# KiCad board INS-1 Matrix Display.kicad_pcb (continued)
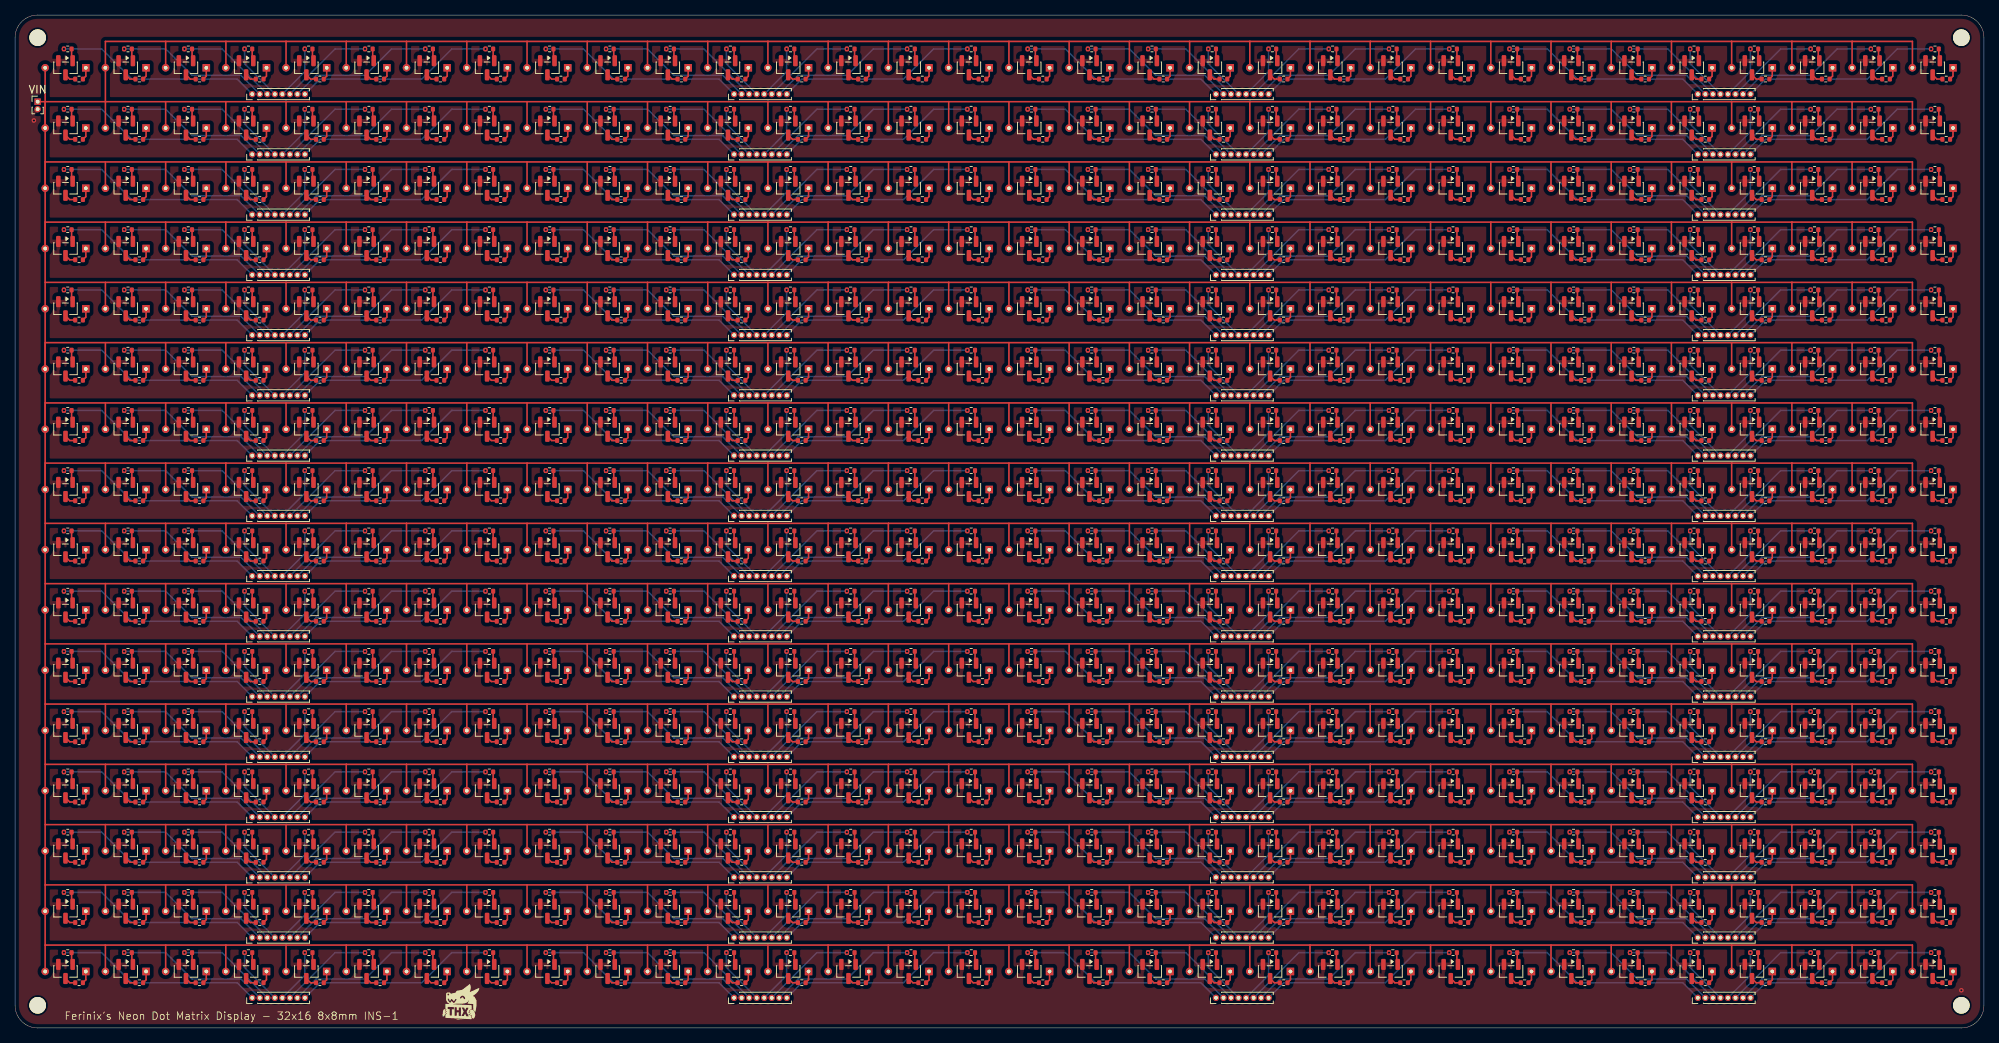
[diagram p0: board, top side]
## Routing (per net, layer and track width the routed paths; a pad name or vN(x,y) marks a point on that pad's centre or on a via; arc(x,y) is an arc through that point) (continued)
REF**#227.1 ; 220,107 228,107 ; 220,107 212,107 ; 50K#73.1 9.4,6.39 REF**#76.2 ; MMBTA42#221.3 207.26,62 50K#40.2 ; 1K#79.2 7.51,120.58 MMBTA42#277.1 ; 1K#299.2 103.5,72.58 MMBTA42#375.1 ; MMBTA42#132.1 183.5,120.58 1K#234.2 ; MMBTA42#361.1 55.5,40.58 1K#471.2 ; 50K#151.1 113.39,78.39 REF**#214.2 ; 50K#414.1 49.39,86.39 REF**#238.2 ; 124,59 124,55.51 REF**#474.1 ; 50K#416.2 223.25,6 MMBTA42#364.3 ; MMBTA42#391.3 199.26,102 50K#190.2 ; 50K#171.1 193.39,70.39 REF**#257.2 ; 50K#218.1 177.39,62.39 REF**#444.2 ; 108,19 100,19 ; REF**#153.2 161.39,94.39 50K#394.1 ; 1K#89.2 191.5,56.58 MMBTA42#80.1 ; REF**#372.1 12,107 ; MMBTA42#434.3 79.26,54 50K#67.2 ; 156,43 155.99,42.99 REF**#407.1 ; 156,43 148,43 ; 52,99 60,99 ; 52,99 51.99,98.99 REF**#306.1 ; 60,99 60,95.51 REF**#234.1 ; 60,99 68,99 ; 236,115 244,115 ; REF**#284.2 233.39,54.39 50K#486.1 ; 1K#425.2 239.5,56.58 MMBTA42#426.1 ; MMBTA42#68.3 151.26,94 50K#141.2 ; MMBTA42#272.1 23.51,8.58 1K#15.2 ; 1K#41.2 151.51,128.58 MMBTA42#333.1 ; MMBTA42#209.1 159.5,56.58 1K#170.2 ; 44,107 52,107 ; 1K#465.2 151.51,112.58 MMBTA42#92.1 ; 50K#79.2 111.25,86 MMBTA42#265.3 ; 220,43 228,43 ; 220,43 212,43 ; 50K#245.2 183.25,14 MMBTA42#429.3 ; 50K#143.1 209.4,54.39 REF**#20.2 ; 4,11 REF**#10.1 4,19 ; 4,11 REF**#76.1 ; 50K#403.2 103.25,6 MMBTA42#67.3 ; REF**#37.2 9.4,126.39 50K#315.1 ; REF**#198.2 25.4,78.39 50K#125.1 ; MMBTA42#243.3 207.26,22 50K#491.2 ; 212,59 REF**#206.1 ; MMBTA42#383.3 151.26,62 50K#210.2 ; MMBTA42#145.1 87.51,72.58 1K#2.2 ; REF**#89.2 161.39,14.39 50K#26.1 ; MMBTA42#249.3 143.26,62 50K#54.2 ; 1K#291.2 95.5,128.58 MMBTA42#195.1 ; REF**#205.1 212,51 ; 50K#101.1 9.4,118.39 REF**#404.2 ; MMBTA42#28.1 183.5,40.58 1K#474.2 ; 28,83 36,83 ; 50K#53.2 167.25,30 MMBTA42#382.3 ; MMBTA42#19.3 183.25,126 50K#215.2 ; REF**#88.2 137.4,110.39 50K#387.1 ; MMBTA42#225.3 127.25,62 50K#122.2 ; REF**#474.2 129.39,54.39 50K#233.1 ; 50K#360.1 241.39,86.39 REF**#215.2 ; 140,107 REF**#352.1 ; MMBTA42#285.1 247.5,72.58 1K#40.2 ; 164,99 172,99 ; 164,99 156,99 ; 50K#145.2 247.25,6 MMBTA42#54.3 ; REF**#492.1 163.99,74.99 164,75 ; REF**#239.2 41.39,86.39 50K#262.1 ; 1K#121.2 167.5,64.58 MMBTA42#175.1 ; REF**#96.2 41.39,78.39 50K#400.1 ; 50K#107.1 89.4,14.39 REF**#341.2 ; 50K#277.2 159.25,110 MMBTA42#418.3 ; MMBTA42#72.1 95.5,72.58 1K#18.2 ; 1K#39.2 191.5,32.58 MMBTA42#23.1 ; REF**#87.2 41.39,126.39 50K#95.1 ; REF**#263.1 60,111.51 60,115 ; MMBTA42#455.1 15.51,88.58 1K#85.2 ; REF**#155.2 129.39,78.39 50K#469.1 ; MMBTA42#338.3 255.25,6 50K#431.2 ; 50K#474.1 241.39,30.39 REF**#98.2 ; 50K#169.2 95.25,78 MMBTA42#91.3 ; 50K#113.2 47.25,78 MMBTA42#206.3 ; REF**#418.2 121.39,46.39 50K#230.1 ; 44,67 52,67 ; 244,43 243.99,42.99 REF**#484.1 ; REF**#126.1 219.99,10.99 220,11 ; 1K#367.2 39.5,104.58 MMBTA42#316.1 ; REF**#399.2 137.4,118.39 50K#167.1 ; MMBTA42#75.3 71.26,38 50K#234.2 ; MMBTA42#409.1 47.5,96.58 1K#336.2 ; MMBTA42#71.3 247.25,118 50K#133.2 ; 1K#345.2 95.5,8.58 MMBTA42#275.1 ; 50K#284.1 105.39,54.39 REF**#426.2 ; 50K#114.2 127.25,30 MMBTA42#82.3 ; REF**#468.2 225.39,38.39 50K#25.1 ; MMBTA42#102.3 183.25,62 50K#302.2 ; 180,83 179.99,82.99 REF**#59.1 ; 180,83 172,83 ; 50K#365.1 9.4,70.39 REF**#424.2 ; 1K#399.2 7.51,88.58 MMBTA42#220.1 ; 60,83 60,79.51 REF**#46.1 ; 1K#464.2 55.5,24.58 MMBTA42#120.1 ; 50K#272.2 15.26,14 MMBTA42#286.3 ; 244,59 243.99,58.99 REF**#125.1 ; 244,59 252,59 252,55.51 REF**#368.1 ; 50K#332.2 111.25,6 MMBTA42#151.3 ; MMBTA42#511.1 215.51,96.58 1K#302.2 ; 36,131 35.99,130.99 REF**#87.1 ; 1K#276.2 239.5,80.58 MMBTA42#324.1 ; REF**#365.2 129.39,46.39 50K#373.1 ; 50K#10.2 199.26,126 MMBTA42#359.3 ; MMBTA42#508.1 247.5,96.58 1K#488.2 ; MMBTA42#268.1 247.5,80.58 1K#459.2 ; 50K#96.2 199.26,38 MMBTA42#224.3 ; 50K#114.1 129.39,30.39 REF**#505.2 ; 1K#498.2 39.5,72.58 MMBTA42#389.1 ; MMBTA42#241.1 231.5,112.58 1K#114.2 ; MMBTA42#156.3 31.25,46 50K#235.2 ; MMBTA42#388.3 47.25,30 50K#162.2 ; 50K#472.1 81.4,38.39 REF**#27.2 ; 36,83 44,83 ; MMBTA42#459.3 175.25,30 50K#430.2 ; MMBTA42#327.3 207.26,94 50K#193.2 ; REF**#395.2 73.4,54.39 50K#267.1 ; 50K#174.1 81.4,126.39 REF**#219.2 ; 44,83 43.99,82.99 REF**#447.1 ; 1K#320.2 159.5,112.58 MMBTA42#418.1 ; REF**#320.2 121.39,54.39 50K#437.1 ; MMBTA42#306.1 247.5,88.58 1K#241.2 ; MMBTA42#479.3 39.25,14 50K#8.2 ; MMBTA42#148.1 31.5,16.58 1K#314.2 ; 68,27 REF**#94.1 ; MMBTA42#421.3 127.25,110 50K#223.2 ; MMBTA42#142.3 183.25,46 50K#205.2 ; 50K#198.1 241.39,62.39 REF**#258.2 ; MMBTA42#351.3 63.25,78 50K#321.2 ; MMBTA42#464.3 143.26,126 50K#153.2 ; MMBTA42#262.1 119.5,112.58 1K#477.2 ; REF**#310.2 137.4,54.39 50K#123.1 ; 50K#300.1 225.39,78.39 REF**#131.2 ; MMBTA42#105.3 151.26,70 50K#500.2 ; MMBTA42#484.3 79.26,118 50K#393.2 ; 50K#31.1 193.39,6.39 REF**#328.2 ; 50K#16.2 55.25,126 MMBTA42#408.3 ; REF**#245.2 209.4,22.39 50K#491.1 ; 1K#168.2 247.5,32.58 MMBTA42#278.1 ; MMBTA42#290.1 71.51,88.58 1K#185.2 ; 50K#160.2 183.25,30 MMBTA42#212.3 ; 50K#209.2 7.26,110 MMBTA42#417.3 ; MMBTA42#257.1 31.5,56.58 1K#501.2 ; 50K#181.2 95.25,86 MMBTA42#449.3 ; 50K#385.2 55.25,46 MMBTA42#114.3 ; MMBTA42#401.3 79.26,78 50K#6.2 ; MMBTA42#299.1 103.5,128.58 1K#343.2 ; 1K#57.2 239.5,104.58 MMBTA42#30.1 ; 50K#203.2 95.25,30 MMBTA42#413.3 ; 50K#9.1 241.39,102.39 REF**#137.2 ; 50K#56.2 151.26,118 MMBTA42#494.3 ; REF**#408.2 25.4,110.39 50K#154.1 ; REF**#176.2 49.39,94.39 50K#24.1 ; 50K#450.2 119.25,102 MMBTA42#380.3 ; MMBTA42#285.3 247.25,70 50K#142.2 ; REF**#301.2 121.39,22.39 50K#20.1 ; MMBTA42#322.1 231.5,24.58 1K#435.2 ; MMBTA42#495.1 31.5,88.58 1K#110.2 ; 1K#227.2 47.5,16.58 MMBTA42#235.1 ; MMBTA42#51.1 111.5,128.58 1K#448.2 ; REF**#163.2 177.39,118.39 50K#23.1 ; 244,19 243.99,18.99 REF**#417.1 ; 50K#481.1 121.39,70.39 REF**#110.2 ; 50K#150.1 241.39,46.39 REF**#3.2 ; REF**#52.2 121.39,62.39 50K#392.1 ; MMBTA42#337.1 15.51,40.58 1K#200.2 ; 50K#96.1 201.4,38.39 REF**#508.2 ; MMBTA42#53.3 103.25,54 50K#284.2 ; 50K#421.1 57.39,54.39 REF**#70.2 ; MMBTA42#437.1 23.51,32.58 1K#162.2 ; MMBTA42#277.3 7.26,118 50K#101.2 ; 50K#409.2 223.25,94 MMBTA42#149.3 ; 50K#21.2 39.25,30 MMBTA42#356.3 ; MMBTA42#341.3 47.25,118 50K#457.2 ; MMBTA42#387.1 15.51,104.58 1K#192.2 ; 1K#196.2 55.5,96.58 MMBTA42#305.1 ; MMBTA42#427.1 71.51,48.58 1K#273.2 ; 1K#229.2 111.5,80.58 MMBTA42#472.1 ; MMBTA42#327.1 207.51,96.58 1K#390.2 ; 50K#406.2 127.25,6 MMBTA42#453.3 ; REF**#242.2 137.4,14.39 50K#158.1 ; REF**#130.2 73.4,6.39 50K#5.1 ; 50K#313.1 89.4,86.39 REF**#420.2 ; 50K#272.1 17.4,14.39 REF**#223.2 ; 1K#495.2 207.51,8.58 MMBTA42#373.1 ; MMBTA42#366.1 71.51,16.58 1K#478.2 ; MMBTA42#411.3 159.25,6 50K#221.2 ; 50K#133.1 249.39,118.39 REF**#389.2 ; MMBTA42#503.1 255.5,64.58 1K#43.2 ; REF**#51.2 65.39,46.39 50K#359.1 ; REF**#125.2 249.39,54.39 50K#78.1 ; REF**#58.2 233.39,6.39 50K#336.1 ; MMBTA42#81.1 255.5,128.58 1K#313.2 ; 148,43 REF**#472.1 ; REF**#291.2 225.39,94.39 50K#409.1 ; MMBTA42#372.1 223.5,56.58 1K#450.2 ; MMBTA42#310.1 47.5,56.58 1K#504.2 ; 244,115 243.99,114.99 REF**#401.1 ; 50K#471.1 161.39,126.39 REF**#427.2 ; REF**#141.2 73.4,38.39 50K#234.1 ; MMBTA42#170.3 231.25,54 50K#486.2 ; 1K#215.2 119.5,24.58 MMBTA42#39.1 ; MMBTA42#109.1 159.5,96.58 1K#442.2 ; 156,99 156,95.51 REF**#153.1 ; REF**#274.2 257.39,46.39 50K#502.1 ; REF**#359.2 177.39,46.39 50K#149.1 ; 1K#33.2 191.5,104.58 MMBTA42#34.1 ; REF**#264.2 25.4,54.39 50K#282.1 ; 100,19 99.99,18.99 REF**#309.1 ; 50K#218.2 175.25,62 MMBTA42#97.3 ; MMBTA42#70.1 239.5,72.58 1K#261.2 ; REF**#201.1 84,131 ; 50K#442.2 127.25,102 MMBTA42#211.3 ; 50K#452.2 199.26,118 MMBTA42#308.3 ; MMBTA42#441.3 87.26,54 50K#226.2 ; 84,107 REF**#513.1 ; REF**#115.1 171.99,90.99 172,91 ; MMBTA42#385.3 95.25,22 50K#43.2 ; MMBTA42#351.1 63.5,80.58 1K#502.2 ; MMBTA42#201.3 255.25,94 50K#69.2 ; 188,11 180,11 ; 50K#111.1 33.39,62.39 REF**#293.2 ; 1K#7.2 23.51,120.58 MMBTA42#497.1 ; 1K#204.2 135.51,104.58 MMBTA42#69.1 ; 50K#253.1 97.39,54.39 REF**#120.2 ; 212,107 REF**#180.1 ; REF**#63.2 9.4,110.39 50K#209.1 ; REF**#317.2 209.4,126.39 50K#292.1 ; 50K#329.1 97.39,14.39 REF**#459.2 ; REF**#146.1 155.99,26.99 156,27 ; REF**#449.2 33.39,118.39 50K#85.1 ; REF**#81.2 129.39,86.39 50K#459.1 ; 1K#87.2 255.5,56.58 MMBTA42#217.1 ; REF**#23.2 193.39,118.39 50K#92.1 ; 1K#356.2 127.5,72.58 MMBTA42#180.1 ; 50K#136.2 199.26,110 MMBTA42#7.3 ; MMBTA42#330.3 15.26,54 50K#415.2 ; 50K#249.2 215.26,6 MMBTA42#246.3 ; REF**#473.2 233.39,78.39 50K#208.1 ; REF**#67.2 161.39,62.39 50K#339.1 ; MMBTA42#94.3 127.25,94 50K#182.2 ; 50K#402.1 137.4,126.39 REF**#364.2 ; MMBTA42#282.1 7.51,96.58 1K#242.2 ; 50K#483.1 121.39,118.39 REF**#241.2 ; 1K#405.2 255.5,16.58 MMBTA42#335.1 ; MMBTA42#387.3 15.26,102 50K#225.2 ; 50K#183.2 223.25,86 MMBTA42#240.3 ; MMBTA42#20.1 39.5,120.58 1K#245.2 ; 50K#391.1 201.4,86.39 REF**#222.2 ; 76,19 REF**#445.1 ; REF**#336.2 25.4,38.39 50K#498.1 ; MMBTA42#492.3 151.26,22 50K#314.2 ; 1K#260.2 175.5,128.58 MMBTA42#43.1 ; 1K#36.2 199.51,40.58 MMBTA42#224.1 ; MMBTA42#414.1 87.51,16.58 1K#42.2 ; 50K#197.1 185.39,118.39 REF**#489.2 ; REF**#343.2 161.39,118.39 50K#228.1 ; 172,75 164,75 ; MMBTA42#360.1 231.5,32.58 1K#458.2 ; 1K#306.2 7.51,40.58 MMBTA42#104.1 ; 50K#408.1 129.39,14.39 REF**#193.2 ; REF**#440.2 89.4,118.39 50K#89.1 ; 50K#298.2 127.25,38 MMBTA42#329.3 ; 50K#327.2 231.25,86 MMBTA42#21.3 ; REF**#4.1 227.99,26.99 228,27 ; MMBTA42#4.3 7.26,46 50K#299.2 ; 28,91 27.99,90.99 REF**#455.1 ; 1K#252.2 239.5,40.58 MMBTA42#146.1 ; 50K#153.1 145.4,126.39 REF**#203.2 ; 50K#6.1 81.4,78.39 REF**#91.2 ; MMBTA42#416.3 39.25,54 50K#296.2 ; MMBTA42#457.1 151.51,32.58 1K#65.2 ; 50K#258.2 183.25,38 MMBTA42#28.3 ; 50K#289.1 177.39,78.39 REF**#119.2 ; 50K#179.1 73.4,118.39 REF**#446.2 ; 50K#401.2 199.26,22 MMBTA42#118.3 ; 228,99 220,99 ; 1K#164.2 95.5,16.58 MMBTA42#163.1 ; 50K#328.1 113.39,14.39 REF**#43.2 ; 50K#378.1 9.4,22.39 REF**#374.2 ; 1K#237.2 79.51,96.58 MMBTA42#344.1 ; MMBTA42#447.3 223.25,102 50K#148.2 ; REF**#32.2 185.39,38.39 50K#258.1 ; MMBTA42#85.3 207.26,70 50K#219.2 ; 1K#287.2 247.5,24.58 MMBTA42#512.1 ; MMBTA42#480.3 135.26,78 50K#37.2 ; MMBTA42#289.1 87.51,104.58 1K#194.2 ; MMBTA42#511.3 215.26,94 50K#82.2 ; REF**#471.2 17.4,62.39 50K#366.1 ; MMBTA42#339.3 23.26,86 50K#211.2 ; 212,131 204,131 ; 212,131 REF**#511.1 ; 172,91 180,91 ; 50K#495.1 185.39,78.39 REF**#59.2 ; 50K#446.2 159.25,70 MMBTA42#111.3 ; 1K#197.2 231.5,88.58 MMBTA42#21.1 ; 196,19 REF**#507.1 ; MMBTA42#181.1 95.5,120.58 1K#485.2 ; 50K#222.2 71.26,30 MMBTA42#270.3 ; REF**#278.2 73.4,94.39 50K#42.1 ; MMBTA42#451.1 247.5,56.58 1K#327.2 ; MMBTA42#167.1 39.5,88.58 1K#180.2 ; REF**#306.2 57.39,94.39 50K#468.1 ; MMBTA42#96.3 191.25,62 50K#381.2 ; 50K#226.1 89.4,54.39 REF**#92.2 ; 50K#41.1 33.39,14.39 REF**#288.2 ; 148,115 REF**#514.1 ; MMBTA42#214.1 215.51,64.58 1K#19.2 ; MMBTA42#471.1 239.5,16.58 1K#139.2 ; 50K#428.1 145.4,38.39 REF**#177.2 ; MMBTA42#157.3 215.26,22 50K#100.2 ; MMBTA42#85.1 207.51,72.58 1K#206.2 ; MMBTA42#468.3 151.26,78 50K#2.2 ; MMBTA42#379.3 47.25,38 50K#17.2 ; 50K#290.1 73.4,102.39 REF**#171.2 ; 60,43 60,39.51 REF**#275.1 ; 50K#244.2 55.25,62 MMBTA42#312.3 ; REF**#472.2 153.4,38.39 50K#269.1 ; REF**#117.2 81.4,110.39 50K#480.1 ; REF**#109.2 225.39,22.39 50K#163.1 ; 76,67 REF**#14.1 ; 50K#340.2 87.26,70 MMBTA42#145.3 ; MMBTA42#413.1 95.5,32.58 1K#288.2 ; REF**#129.2 65.39,22.39 50K#488.1 ; MMBTA42#241.3 231.25,110 50K#207.2 ; REF**#432.2 249.39,70.39 50K#142.1 ; 50K#330.2 47.25,62 MMBTA42#110.3 ; MMBTA42#269.3 151.26,46 50K#64.2 ; 50K#420.1 225.39,30.39 REF**#287.2 ; MMBTA42#152.3 127.25,118 50K#333.2 ; MMBTA42#44.1 63.5,24.58 1K#354.2 ; 50K#63.2 183.25,110 MMBTA42#343.3 ; 1K#497.2 103.5,120.58 MMBTA42#263.1 ; REF**#254.2 129.39,22.39 50K#478.1 ; REF**#56.2 17.4,126.39 50K#310.1 ; REF**#294.2 193.39,38.39 50K#509.1 ; MMBTA42#172.3 7.26,6 50K#73.2 ; 50K#194.1 9.4,38.39 REF**#50.2 ; MMBTA42#22.1 207.51,48.58 1K#8.2 ; REF**#410.2 177.39,14.39 50K#511.1 ; REF**#369.1 212,43 ; 212,43 204,43 ; 1K#466.2 87.51,40.58 MMBTA42#349.1 ; MMBTA42#256.1 103.5,112.58 1K#318.2 ; REF**#24.2 49.39,22.39 50K#379.1 ; 84,91 REF**#420.1 ; 84,91 92,91 ; 50K#68.2 55.25,78 MMBTA42#3.3 ; REF**#393.2 137.4,78.39 50K#37.1 ; MMBTA42#490.3 239.25,94 50K#432.2 ; 50K#298.1 129.39,38.39 REF**#454.2 ; 50K#185.1 9.4,78.39 REF**#413.2 ; 1K#191.2 183.5,48.58 MMBTA42#142.1 ; 50K#425.2 55.25,38 MMBTA42#361.3 ; 50K#182.1 129.39,94.39 REF**#240.2 ; MMBTA42#50.3 223.25,30 50K#420.2 ; MMBTA42#435.3 15.26,110 50K#451.2 ; MMBTA42#124.3 215.26,78 50K#325.2 ; 12,115 REF**#100.1 ; 12,115 4,115 REF**#63.1 ; REF**#132.2 129.39,70.39 50K#77.1 ; 164,67 172,67 ; REF**#268.2 113.39,62.39 50K#367.1 ; 50K#340.1 89.4,70.39 REF**#386.2 ; 68,99 REF**#278.1 ; 180,35 179.99,34.99 REF**#237.1 ; MMBTA42#32.1 47.5,88.58 1K#365.2 ; MMBTA42#173.3 63.25,30 50K#108.2 ; REF**#253.2 17.4,94.39 50K#363.1 ; 50K#30.1 49.39,54.39 REF**#346.2 ; REF**#340.2 121.39,14.39 50K#15.1 ; MMBTA42#199.1 247.5,104.58 1K#35.2 ; REF**#156.2 33.39,102.39 50K#512.1 ; REF**#434.2 193.39,54.39 50K#260.1 ; 228,107 227.99,106.99 REF**#17.1 ; 50K#440.1 193.39,14.39 REF**#330.2 ; 212,115 REF**#380.1 ; 50K#375.2 223.25,46 MMBTA42#35.3 ; REF**#484.2 249.39,38.39 50K#445.1 ; 196,43 REF**#508.1 ; 196,43 204,43 ; REF**#191.2 257.39,78.39 50K#184.1 ; 50K#165.1 89.4,110.39 REF**#491.2 ; REF**#16.2 193.39,94.39 50K#355.1 ; REF**#182.2 57.39,30.39 50K#407.1 ; MMBTA42#52.3 255.25,78 50K#184.2 ; 50K#434.2 215.26,54 MMBTA42#467.3 ; 1K#238.2 87.51,64.58 MMBTA42#88.1 ; 204,43 REF**#327.1 ; 50K#72.1 241.39,70.39 REF**#31.2 ; MMBTA42#488.1 199.51,8.58 1K#246.2 ; MMBTA42#57.1 87.51,24.58 1K#265.2 ; REF**#6.2 41.39,30.39 50K#21.1 ; 140,75 REF**#187.1 ; 92,91 91.99,90.99 REF**#475.1 ; 1K#332.2 71.51,96.58 MMBTA42#242.1 ; REF**#103.2 89.4,22.39 50K#411.1 ; 50K#427.1 193.39,126.39 REF**#39.2 ; 50K#108.1 65.39,30.39 REF**#286.2 ; 204,131 REF**#317.1 ; 50K#238.2 39.25,6 MMBTA42#63.3 ; 1K#12.2 223.5,48.58 MMBTA42#35.1 ; REF**#255.1 92,95.51 92,99 ; 1K#507.2 143.51,64.58 MMBTA42#249.1 ; 50K#444.2 159.25,30 MMBTA42#326.3 ; REF**#289.2 257.39,14.39 50K#103.1 ; MMBTA42#9.1 127.5,16.58 1K#452.2 ; 1K#509.2 199.51,64.58 MMBTA42#159.1 ; MMBTA42#151.1 111.5,8.58 1K#225.2 ; MMBTA42#449.1 95.5,88.58 1K#93.2 ; MMBTA42#322.3 231.25,22 50K#247.2 ; MMBTA42#347.3 239.25,62 50K#198.2 ; 50K#303.2 103.25,62 MMBTA42#328.3 ; 1K#124.2 87.51,32.58 MMBTA42#194.1 ; 50K#324.1 121.39,78.39 REF**#421.2 ; 140,67 REF**#402.1 ; MMBTA42#8.1 79.51,64.58 1K#275.2 ; 50K#187.1 241.39,78.39 REF**#150.2 ; MMBTA42#146.3 239.25,38 50K#93.2 ; MMBTA42#109.3 159.25,94 50K#394.2 ; REF**#192.2 169.39,62.39 50K#227.1 ; 50K#192.2 103.25,22 MMBTA42#294.3 ; 50K#482.1 185.39,102.39 REF**#104.2 ; REF**#362.2 97.39,102.39 50K#88.1 ; 50K#231.1 153.4,14.39 REF**#414.2 ; 50K#492.1 65.39,54.39 REF**#138.2 ; 1K#156.2 215.51,72.58 MMBTA42#332.1 ; 1K#385.2 135.51,8.58 MMBTA42#187.1 ; 50K#447.2 39.25,46 MMBTA42#369.3 ; REF**#73.2 185.39,6.39 50K#33.1 ; 50K#295.1 193.39,46.39 REF**#211.2 ; 1K#353.2 55.5,56.58 MMBTA42#507.1 ; MMBTA42#283.3 191.25,14 50K#440.2 ; 50K#39.1 113.39,70.39 REF**#302.2 ; 50K#413.2 87.26,126 MMBTA42#160.3 ; MMBTA42#463.3 31.25,30 50K#338.2 ; 172,59 171.99,58.99 REF**#406.1 ; 1K#278.2 143.51,96.58 MMBTA42#500.1 ; 50K#82.1 217.4,94.39 REF**#36.2 ; 50K#191.2 191.25,78 MMBTA42#336.3 ; REF**#144.2 161.39,102.39 50K#32.1 ; 50K#172.2 87.26,38 MMBTA42#349.3 ; 50K#255.2 63.25,70 MMBTA42#84.3 ; MMBTA42#155.1 95.5,96.58 1K#137.2 ; MMBTA42#162.1 231.5,80.58 1K#404.2 ; 1K#486.2 31.5,120.58 MMBTA42#107.1 ; 1K#25.2 175.5,104.58 MMBTA42#323.1 ; 50K#327.1 233.39,86.39 REF**#272.2 ; MMBTA42#494.1 151.51,120.58 1K#463.2 ; MMBTA42#72.3 95.25,70 50K#499.2 ; MMBTA42#353.1 87.51,120.58 1K#244.2 ; 50K#273.2 63.25,38 MMBTA42#73.3 ; MMBTA42#140.1 47.5,112.58 1K#492.2 ; REF**#57.2 209.4,30.39 50K#176.1 ; 50K#484.1 73.4,70.39 REF**#188.2 ; 50K#492.2 63.25,54 MMBTA42#179.3 ; MMBTA42#310.3 47.25,54 50K#30.2 ; MMBTA42#486.3 7.26,70 50K#365.2 ; MMBTA42#366.3 71.26,14 50K#131.2 ; MMBTA42#431.1 87.51,80.58 1K#382.2 ; MMBTA42#29.1 135.51,72.58 1K#443.2 ; MMBTA42#472.3 111.25,78 50K#151.2 ; MMBTA42#147.3 151.26,6 50K#501.2 ; MMBTA42#261.1 111.5,96.58 1K#157.2 ; MMBTA42#180.3 127.25,70 50K#77.2 ; 50K#157.2 15.26,78 MMBTA42#255.3 ; MMBTA42#509.3 119.25,78 50K#324.2 ; 50K#89.2 87.26,118 MMBTA42#353.3 ; 50K#311.1 193.39,86.39 REF**#184.2 ; 50K#202.2 255.25,70 MMBTA42#428.3 ; MMBTA42#402.1 143.51,16.58 1K#311.2 ; MMBTA42#422.1 175.5,40.58 1K#199.2 ; 50K#487.1 145.4,70.39 REF**#187.2 ; 1K#500.2 7.51,16.58 MMBTA42#355.1 ; MMBTA42#485.3 183.25,6 50K#33.2 ; MMBTA42#91.1 95.5,80.58 1K#480.2 ; MMBTA42#273.3 167.25,70 50K#287.2 ; MMBTA42#462.3 135.26,62 50K#386.2 ; MMBTA42#335.3 255.25,14 50K#103.2 ; 50K#220.2 95.25,46 MMBTA42#390.3 ; 50K#130.1 153.4,110.39 REF**#514.2 ; 50K#346.2 31.25,38 MMBTA42#280.3 ; REF**#366.2 201.4,78.39 50K#243.1 ; 1K#284.2 127.5,48.58 MMBTA42#87.1 ; MMBTA42#292.3 23.26,62 50K#319.2 ; 50K#362.2 215.26,70 MMBTA42#332.3 ; REF**#13.2 137.4,94.39 50K#388.1 ; REF**#387.2 17.4,38.39 50K#384.1 ; MMBTA42#57.3 87.26,22 50K#411.2 ; 50K#112.2 143.26,118 MMBTA42#232.3 ; MMBTA42#130.1 47.5,72.58 1K#401.2 ; REF**#102.2 169.39,54.39 50K#81.1 ; 1K#248.2 167.5,96.58 MMBTA42#354.1 ; MMBTA42#424.3 231.25,70 50K#464.2 ; MMBTA42#61.1 191.5,96.58 1K#451.2 ; 1K#294.2 63.5,128.58 MMBTA42#200.1 ; 1K#364.2 167.5,128.58 MMBTA42#58.1 ; MMBTA42#262.3 119.25,110 50K#35.2 ; REF**#168.2 209.4,118.39 50K#350.1 ; 1K#505.2 23.51,88.58 MMBTA42#339.1 ; 1K#323.2 183.5,104.58 MMBTA42#41.1 ; 50K#260.2 191.25,54 MMBTA42#80.3 ; 50K#331.1 65.39,110.39 REF**#263.2